# Allegro board 1119394-C028P02-36-DE2-C01_pcb.brd (continued)
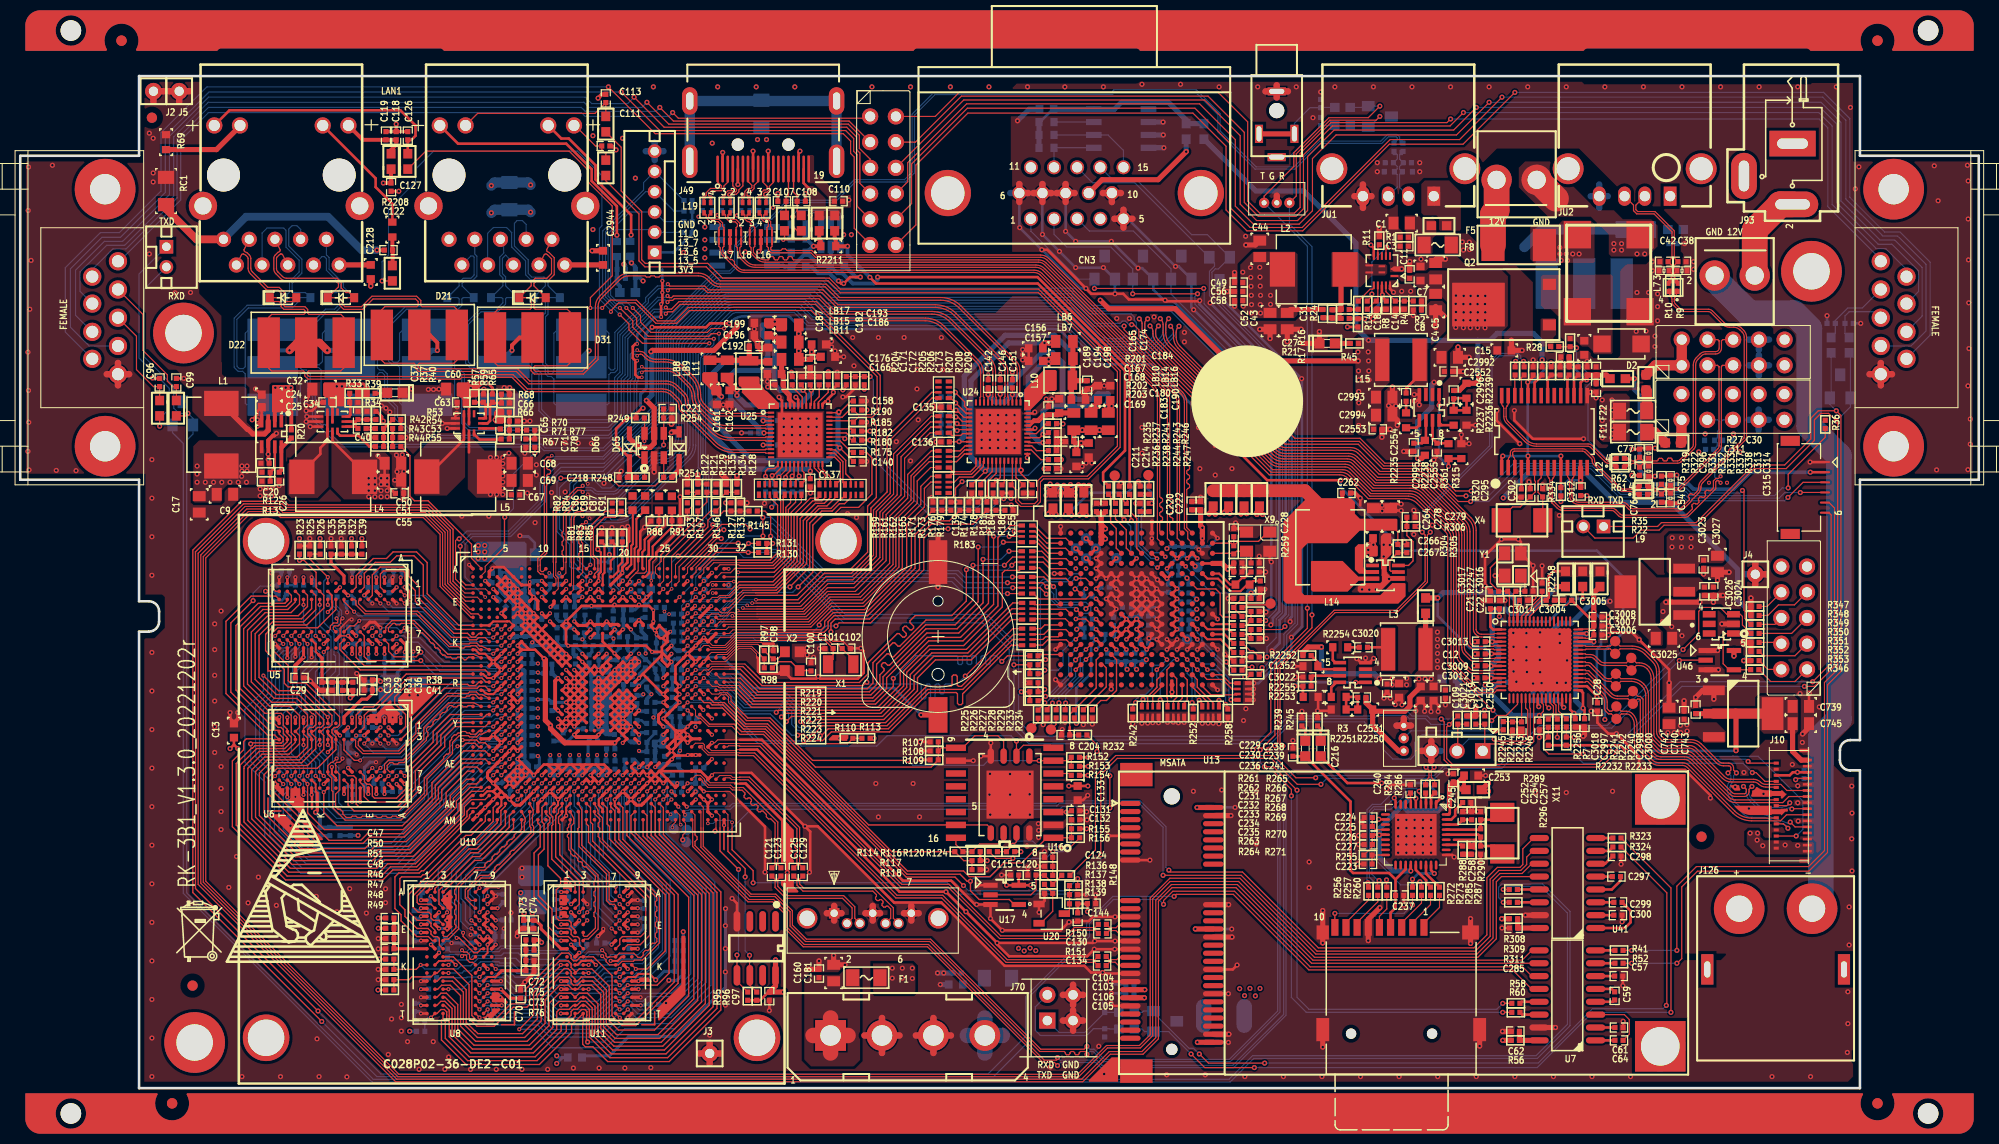
[diagram p0: board, top side]
## Nets (continued)
GND: BT1.2 C1.2 C2.2 C3.2 C4.2(B) C5.2(B) C6.1 C7.2(B) C8.2(B) C9.2(B) C10.2 C11.2(B) C12.2 C13.2(B) C14.2(B) C15.2(B) C16.2 C17.2(B) C18.2(B) C19.1 C20.2(B) C21.2 C22.1 C23.2 C24.1 C25.1 C26.2(B) C28.2 C29.2(B) C30.2(B) C32.2(B) C33.2(B) C34.2(B) C35.2(B) C37.2(B) C38.1 C41.2(B) C42.1 C43.2(B) C44.2(B) C45.2 C46.2 C48.2(B) C49.2(B) C50.2(B) C51.2(B) C52.2(B) C53.2(B) C54.2 C55.2(B) C56.2(B) C57.2 C58.2(B) C60.2(B) C61.2 C62.2 C63.2(B) C66.2(B) C67.2(B) C68.2(B) C69.2(B) C70.2(B) C71.2(B) C73.2(B) C74.2(B) C75.2 C76.2 C77.2 C78.1 C79.1 C80.1 C81.1 C82.1 C83.1 C84.1 C85.1 C88.2 C90.2 C92.2 C93.2 C94.2 C95.2 C96.2 C97.1(A) C98.1(A) C99.2 C100.1(A) C101.1(A) C102.1(A) C107.2 C108.2 C109.2(B) C110.2 C112.2(B) C114.2(B) C115.2(B) C120.2(B) C124.2(B) C127.2(B) C130.2(B) C131.2(B) C132.2(B) C133.2(B) C134.2(B) C135.2(B) C136.2(B) C137.2(B) C139.2(B) C140.2(B) C142.2(B) C143.2(B) C144.2(B) C146.2(B) C148.2(B) C151.2(B) C152.2(B) C155.2(B) C156.2(B) C157.2(B) C158.2(B) C160.2 C161.2(B) C162.2(B) C165.2(B) C166.2(B) C167.2(B) C168.2(B) C169.2(B) C171.2(B) C172.2(B) C173.2(B) C174.2(B) C176.2(B) C180.2(B) C181.2 C182.2(B) C183.2(B) C184.2(B) C186.2(B) C187.2(B) C189.2(B) C190.2(B) C191.2 C192.2(B) C193.2(B) C194.2(B) C195.2 C196.2(B) C198.2(B) C199.2(B) C204.2 C211.2 C214.2 C216.2 C218.2 C220.2 C221.2 C222.2 C223.2 C224.1 C225.1 C226.2 C227.2 C228.1 C229.2 C230.2 C237.2 C238.1 C239.1 C240.2 C241.1 C245.2 C252.1 C253.2 C254.1 C257.1 C258.1 C262.2(B) C264.2(B) C266.1 C267.1 C278.2(B) C279.2(B) C285.2 C295.1 C296.2 C298.2 C300.2 C302.1 C311.2 C312.2 C313.2 C314.2 C315.2 C319.2 C320.2 C321.2 C322.2 C323.2 C324.2 C325.2 C326.2 C327.2 C328.2 C329.2 C330.2 C331.2 C332.2 C333.2 C334.2 C335.2 C336.2 C337.2 C338.2 C339.2 C340.2 C341.2 C342.2 C343.2 C344.2 C345.2 C346.2 C347.2 C348.2 C349.2 C350.2(B) C351.2(B) C353.2(B) C354.2(B) C355.2(B) C356.2(B) C357.2(B) C358.2(B) C359.2(B) C360.2(B) C361.2(B) C362.2(B) C363.2(B) C364.2(B) C365.2(B) C366.2(B) C367.2(B) C368.2(B) C369.2(B) C370.2(B) C371.2(B) C372.2(B) C373.2(B) C374.2(B) C375.2(B) C376.2(B) C377.2(B) C378.2(B) C379.2(B) C380.2(B) C381.2(B) C382.2(B) C383.2(B) C384.2(B) C385.2(B) C386.2(B) C387.2(B) C388.2(B) C389.2(B) C390.2(B) C391.2(B) C392.2(B) C393.2(B) C394.2(B) C395.2(B) C396.2(B) C397.2(B) C398.2(B) C399.2(B) C400.2(B) C401.2(B) C405.2(B) C406.2(B) C407.2(B) C408.2(B) C409.2(B) C410.2(B) C411.2(B) C412.2(B) C413.2(B) C414.2(B) C415.2(B) C416.2(B) C417.2(B) C418.2(B) C419.2(B) C420.2(B) C421.2(B) C422.2(B) C423.2(B) C424.2(B) C425.2(B) C426.2(B) C427.2(B) C428.2(B) C429.2(B) C430.2(B) C431.2(B) C432.2(B) C433.2(B) C434.2(B) C435.2(B) C436.2(B) C437.2(B) C438.2(B) C439.2(B) C441.2(B) C442.2(B) C443.2(B) C444.2(B) C445.2(B) C446.2(B) C447.2(B) C448.2(B) C449.2(B) C450.2(B) C451.2(B) C452.2(B) C453.2(B) C454.2(B) C455.2(B) C456.2(B) C457.2(B) C458.2(B) C459.2(B) C460.2(B) C461.2(B) C462.2(B) C463.2(B) C464.2(B) C465.2(B) C466.2(B) C467.2(B) C468.2(B) C469.2(B) C470.2(B) C471.2(B) C472.2(B) C473.2(B) C474.2(B) C475.2(B) C476.2(B) C477.2(B) C478.2(B) C479.2(B) C480.2(B) C481.2(B) C482.2(B) C483.2(B) C484.2(B) C485.2(B) C486.2(B) C487.2(B) C488.2(B) C489.2(B) C490.2(B) C492.2(B) C493.2(B) C494.2(B) C495.2(B) C496.2(B) C497.2(B) C499.2(B) C500.2(B) C501.2(B) C502.2(B) C503.2(B) C504.2(B) C505.2(B) C739.2 C740.2 C742.2 C743.2 C745.2 C1352.2(B) C2128.1 C2318.1 C2378.1 C2530.2(B) C2552.2(B) C2553.2(B) C2555.2(B) C2944.1 C2986.2(B) C2987.2(B) C2988.2(B) C2989.2(B) C2990.2(B) C2991.1 C2992.2(B) C2993.2(B) C2994.2(B) C2995.2(B) C2997.1 C2998.1 C2999.2 C3000.1 C3001.1 C3002.1 C3004.1 C3005.1 C3006.1 C3007.1 C3008.1 C3009.1 C3012.1 C3013.1 C3014.1 C3016.2 C3017.2 C3018.2 C3019.2(B) C3021.2(B) C3022.2(B) C3023.2 C3024.2 C3025.2 C3026.2 C3027.2 C3029.2 CN3.5 CN3.6 CN3.7 CN3.8 CN3.10 CON1.1(GND#1) CON1.4(GND#4) CON1.7(GND#7) D2.1(A) D6.2 D7.2 D8.2 D9.2 D10.2 D11.2 D12.2 D13.2 D16.2 D17.2 D23.3(A) D24.1(C1) D25.1(C1) D26.1(C1) D71.C D87.C J2.1 J3.1 J4.1 J5.1 J10.5 J10.8 J10.11 J10.14 J10.17 J10.20 J10.23 J10.28 J10.29 J10.32 J10.33 J22.5 J23.1 J49.2(P2) J49.5(P5) J49.8(P8) J49.11(P11) J49.17(P17) J70.2 J70.3 J95.7 J103.7 J103.8 J111.6 J113.6(VSS) J113.9(GND1) J113.10(GND2) J113.11(POL) J113.13(GND3) J120.1 J121.3 J122.3 J123.2 J124.3 J124.4 J128.6 JU1.4 JU2.4 L13.4 R1.2 R4.2(B) R8.2(B) R11.2(B) R13.2(B) R23.2(B) R25.2(B) R29.2(B) R30.2(B) R34.2(B) R37.2(B) R38.2(B) R43.2(B) R47.2(B) R48.2(B) R51.2(B) R59.2(B) R63.2 R64.1 R68.2(B) R69.1 R70.2(B) R73.2(B) R76.2(B) R81.2(B) R83.2(B) R85.2(B) R88.2 R91.2 R107.2(B) R108.2(B) R110.1(A) R118.2(B) R122.2(B) R133.1(A) R134.1(A) R135.1(A) R136.2(B) R139.2(B) R159.1(A) R171.2(B) R183.2(B) R185.2(B) R186.2(B) R202.2(B) R205.2(B) R208.2(B) R222.1 R226.1 R228.1 R233.1 R234.1 R237.1 R238.1 R239.1 R242.2 R244.1 R245.1 R252.2 R254.2 R258.2 R261.2 R263.2 R265.1 R266.2 R269.2 R289.2 R290.1 R305.2 R315.2(B) R320.2 R333.2 R347.2 R348.2 R351.2 R352.2 R370.2(B) R375.2(B) R380.2(B) R381.2(B) R383.2(B) R385.2(B) R387.1(A) R388.2(B) R390.1(A) R391.2(B) R393.2 R394.2 R395.2(B) R396.2(B) R397.1(A) R398.1(A) R399.1(A) R400.1(A) R401.2(B) R402.2(B) R404.2(B) R406.1(A) R411.2(B) R412.1(A) R413.1(A) R2236.2(B) R2248.1 R2251.2(B) R2253.2(B) RC1.2 RC2.2 RN9.5 RN9.6 RN9.7 RN9.8 RN10.5 RN10.6 RN10.7 RN10.8 RN11.5 RN11.6 RN11.7 RN11.8 RN12.5 RN12.6 RN12.7 RN12.8 U1.65(EPAD) U2.2(PGND) U2.14(AGND) U3.4(PGND) U3.6(AGND) U4.10(GND1) U4.11(GND2) U4.12(GND3) U5.A9(VSS1) U5.B1(VSSQ1) U5.B3(VSS2) U5.B9(VSSQ2) U5.D1(VSSQ3) U5.D8(VSSQ4) U5.E1(VSS3) U5.E2(VSSQ5) U5.E8(VSSQ6) U5.F9(VSSQ7) U5.G1(VSSQ8) U5.G8(VSS4) U5.G9(VSSQ9) U5.J2(VSS5) U5.J8(VSS6) U5.M1(VSS7) U5.M9(VSS8) U5.P1(VSS9) U5.P9(VSS10) U5.T1(VSS11) U5.T9(VSS12) U6.A9(VSS1) U6.B1(VSSQ1) U6.B3(VSS2) U6.B9(VSSQ2) U6.D1(VSSQ3) U6.D8(VSSQ4) U6.E1(VSS3) U6.E2(VSSQ5) U6.E8(VSSQ6) U6.F9(VSSQ7) U6.G1(VSSQ8) U6.G8(VSS4) U6.G9(VSSQ9) U6.J2(VSS5) U6.J8(VSS6) U6.M1(VSS7) U6.M9(VSS8) U6.P1(VSS9) U6.P9(VSS10) U6.T1(VSS11) U6.T9(VSS12) U7.15(GND) U8.A9(VSS1) U8.B1(VSSQ1) U8.B3(VSS2) U8.B9(VSSQ2) U8.D1(VSSQ3) U8.D8(VSSQ4) U8.E1(VSS3) U8.E2(VSSQ5) U8.E8(VSSQ6) U8.F9(VSSQ7) U8.G1(VSSQ8) U8.G8(VSS4) U8.G9(VSSQ9) U8.J2(VSS5) U8.J8(VSS6) U8.M1(VSS7) U8.M9(VSS8) U8.P1(VSS9) U8.P9(VSS10) U8.T1(VSS11) U8.T9(VSS12) U9.10(GND1) U9.11(GND2) U9.12(GND3) U10.A1(VSS_1) U10.A32(VSS_2) U10.AA4(VSS_106) U10.AA12(VSS_107) U10.AA18(AVSS_DDRPLL4) U10.AA19(VSS_15) U10.AA20(AVSS_SATA1_5) U10.AA26(AVSS_SATA1_4) U10.AA30(AVSS_PCIE0_5) U10.AB2(VSS_108) U10.AB3(VSS_109) U10.AB4(VSS_110) U10.AB5(VSS_111) U10.AB20(AVSS_SATA0_1) U10.AB26(AVSS_SATA1_3) U10.AB28(AVSS_PCIE1_2) U10.AB29(AVSS_PCIE1_4) U10.AC4(VSS_112) U10.AC6(VSS_113) U10.AC7(VSS_114) U10.AC25(AVSS_SATA0_3) U10.AC30(AVSS_PCIE1_5) U10.AD5(VSS_115) U10.AD25(AVSS_SATA0_4) U10.AD28(AVSS_SATA1_2) U10.AD29(AVSS_SATA1_1) U10.AE4(VSS_116) U10.AE6(VSS_117) U10.AE21(AVSS_EFUSE) U10.AE25(AVSS_USB2_1) U10.AE30(AVSS_SATA1_6) U10.AF3(VSS_118) U10.AF10(VSS_119) U10.AF13(VSS_120) U10.AF16(VSS_121) U10.AF19(VSS_122) U10.AF21(VSS_123) U10.AF22(VSS_30) U10.AF23(VSS_18) U10.AF24(AVSS_USB2_2) U10.AF28(AVSS_SATA0_5) U10.AF29(AVSS_SATA0_6) U10.AG3(VSS_124) U10.AG4(VSS_125) U10.AG8(VSS_126) U10.AG15(VSS_127) U10.AG16(VSS_128) U10.AG17(VSS_129) U10.AG23(VSS_130) U10.AG24(VSS_131) U10.AG25(VSS_132) U10.AG30(AVSS_SATA0_2) U10.AH4(VSS_133) U10.AH9(VSS_134) U10.AH11(VSS_135) U10.AH13(VSS_136) U10.AH18(VSS_137) U10.AH20(VSS_138) U10.AH22(VSS_139) U10.AH26(VSS_140) U10.AH28(AVSS_USB2_3) U10.AH29(VSS_36) U10.AJ2(VSS_141) U10.AJ4(VSS_142) U10.AJ5(VSS_143) U10.AJ6(VSS_144) U10.AJ8(VSS_145) U10.AJ10(VSS_146) U10.AJ11(VSS_147) U10.AJ12(VSS_148) U10.AJ17(VSS_149) U10.AJ19(VSS_150) U10.AJ20(VSS_151) U10.AJ21(VSS_152) U10.AJ23(VSS_153) U10.AJ29(AVSS_USB2_4) U10.AJ30(VSS_154) U10.AK3(VSS_155) U10.AK6(VSS_156) U10.AK7(VSS_157) U10.AK9(VSS_158) U10.AK13(VSS_159) U10.AK20(VSS_160) U10.AK21(VSS_161) U10.AK22(VSS_162) U10.AK28(AVSS_USB2_6) U10.AK30(AVSS_USB2_7) U10.AL2(VSS_163) U10.AL4(VSS_164) U10.AL9(VSS_165) U10.AL11(VSS_166) U10.AL17(VSS_167) U10.AL19(VSS_168) U10.AL30(AVSS_USB2_5) U10.AM1(VSS_90) U10.AM12(VSS_89) U10.AM32(VSS_104) U10.B3(VSS_3) U10.B6(VSS_38) U10.B30(VSS_5) U10.C3(VSS_4) U10.C7(VSS_16) U10.C8(AVSS_USB3_1) U10.C10(AVSS_USB32_1) U10.C12(AVSS_HDMITX_1) U10.C14(AVSS_HDMITX_2) U10.C16(AVSS_VDAC_1) U10.C18(AVSS_VDAC_2) U10.C20(AVSS_AC0_1) U10.C23(AVSS_AC0_2) U10.C27(VSS_37) U10.C31(VSS_12) U10.D4(VSS_7) U10.D8(AVSS_USB3_2) U10.D10(AVSS_USB32_2) U10.D12(AVSS_HDMITX_3) U10.D14(AVSS_HDMITX_4) U10.D16(AVSS_VDAC_3) U10.D17(AVSS_VDAC_4) U10.D23(VSS_8) U10.D31(VSS_40) U10.E4(VSS_9) U10.E8(VSS_10) U10.E9(AVSS_USB3_3) U10.E11(AVSS_HDMITX_5) U10.E12(AVSS_HDMITX_6) U10.E13(AVSS_HDMITX_7) U10.E15(VSS_11) U10.E16(AVSS_VDAC_5) U10.E18(AVSS_VDAC_CVBS_1) U10.E19(AVSS_AC0_3) U10.E20(AVSS_AC0_4) U10.E21(AVSS_AC0_5) U10.E22(AVSS_AC0_6) U10.F5(VSS_105) U10.F9(VSS_100) U10.F28(VSS_14) U10.F30(VSS_6) U10.G5(VSS_17) U10.G10(VSS_13) U10.G29(VSS_47) U10.H2(VSS_19) U10.H3(VSS_20) U10.H6(VSS_21) U10.H11(VSS_22) U10.H14(AVSS_USB3_4) U10.H15(AVSS_USB32_3) U10.H16(AVSS_HDMITX_9) U10.H17(VSS_39) U10.H18(AVSS_VDAC_6) U10.H19(AVSS_VDAC_CVBS_2) U10.H21(AVSS_AC0_7) U10.H22(VSS_23) U10.J6(VSS_24) U10.J31(VSS_76) U10.K29(VSS_25) U10.K30(VSS_26) U10.L1(VSS_28) U10.L5(VSS_29) U10.L25(VSS_31) U10.L28(AVSS_RTC_5) U10.M3(VSS_34) U10.M4(VSS_35) U10.M14(VSS_42) U10.M18(AVSS_VDAC_7) U10.M20(DVSS_VDAC) U10.M27(AVSS_RTC_1) U10.M28(AVSS_RTC_3) U10.M29(AVSS_RTC_2) U10.M30(VSS_27) U10.N3(VSS_43) U10.N4(VSS_44) U10.N5(VSS_45) U10.N14(VSS_49) U10.N15(AVSS_USB3_5) U10.N16(AVSS_HDMITX_8) U10.N17(AVSS_PLL_HDMITX_1) U10.N18(VSS_50) U10.N28(VSS_33) U10.N29(VSS_32) U10.P2(VSS_54) U10.P4(VSS_63) U10.P7(VSS_56) U10.P13(VSS_57) U10.P14(VSS_58) U10.P15(VSS_59) U10.P16(VSS_60) U10.P17(VSS_61) U10.P26(AVSS_RTC_6) U10.R5(VSS_64) U10.R13(VSS_65) U10.R14(VSS_66) U10.R15(VSS_67) U10.R26(AVSS_PLL_1) U10.T2(VSS_70) U10.T4(VSS_71) U10.T6(VSS_72) U10.T12(AVSS_DDRPLL1) U10.T13(VSS_73) U10.T14(VSS_74) U10.T15(VSS_75) U10.T19(VSS_77) U10.T20(AVSS_PLL_2) U10.T26(VSS_68) U10.T29(VSS_62) U10.U6(VSS_78) U10.U7(VSS_79) U10.U13(VSS_80) U10.U14(VSS_81) U10.U15(VSS_82) U10.U18(VSS_83) U10.U19(VSS_84) U10.U20(VSS_55) U10.U21(VSS_53) U10.U26(VSS_69) U10.V6(VSS_46) U10.V13(VSS_41) U10.V14(VSS_51) U10.V15(VSS_52) U10.V18(VSS_48) U10.V19(VSS_88) U10.V20(VSS_87) U10.V21(VSS_85) U10.V26(VSS_86) U10.V29(VSS_91) U10.W13(VSS_92) U10.W14(VSS_93) U10.W15(VSS_94) U10.W18(VSS_95) U10.W19(VSS_96) U10.W20(AVSS_PCIE0_3) U10.W25(AVSS_PCIE0_6) U10.W30(AVSS_PCIE0_1) U10.Y5(VSS_97) U10.Y7(VSS_98) U10.Y12(AVSS_DDRPLL2) U10.Y13(VSS_99) U10.Y14(AVSS_DDRPLL3) U10.Y15(VSS_101) U10.Y18(VSS_102) U10.Y19(VSS_103) U10.Y20(AVSS_PCIE1_3) U10.Y25(AVSS_PCIE1_1) U10.Y28(AVSS_PCIE0_2) U10.Y29(AVSS_PCIE0_4) U11.A9(VSS1) U11.B1(VSSQ1) U11.B3(VSS2) U11.B9(VSSQ2) U11.D1(VSSQ3) U11.D8(VSSQ4) U11.E1(VSS3) U11.E2(VSSQ5) U11.E8(VSSQ6) U11.F9(VSSQ7) U11.G1(VSSQ8) U11.G8(VSS4) U11.G9(VSSQ9) U11.J2(VSS5) U11.J8(VSS6) U11.M1(VSS7) U11.M9(VSS8) U11.P1(VSS9) U11.P9(VSS10) U11.T1(VSS11) U11.T9(VSS12) U12.4(GND) U13.4(GND_P4) U13.9(GND_P9) U13.15(GND_P15) U13.18(GND_P18) U13.21(GND_P21) U13.26(GND_P26) U13.27(GND_P27) U13.29(GND_P29) U13.34(GND_P34) U13.35(GND_P35) U13.37(GND_P37) U13.40(GND_P40) U13.43(GND_P43) U13.50(GND_P50) U16.10(GND) U17.1(O\E\) U17.3(GND) U18.4(VSS) U18.9(VSS_EPAD) U20.1(GND) U24.43(CKXTAL2) U24.47(GND1) U24.49(GND2) U25.43(CKXTAL2) U25.47(GND1) U25.49(GND2) U27.1(A0) U27.2(A1) U27.3(A2) U27.4(VSS) U32.A1(GND#A1) U32.A10(GND#A10) U32.A16(GND#A16) U32.B10(GND#B10) U32.C5(GND#C5) U32.C15(GND#C15) U32.D5(GND#D5) U32.E1(GND#E1) U32.E5(GND#E5) U32.E6(GND#E6) U32.E7(GND#E7) U32.E8(GND#E8) U32.E9(GND#E9) U32.E10(GND#E10) U32.F6(GND#F6) U32.F7(GND#F7) U32.F8(GND#F8) U32.F9(GND#F9) U32.F10(GND#F10) U32.F11(GND#F11) U32.G6(GND#G6) U32.G7(GND#G7) U32.G8(GND#G8) U32.G9(GND#G9) U32.G10(GND#G10) U32.G11(GND#G11) U32.H6(GND#H6) U32.H7(GND#H7) U32.H8(GND#H8) U32.H9(GND#H9) U32.H10(GND#H10) U32.H11(GND#H11) U32.J6(GND#J6) U32.J8(GND#J8) U32.J9(GND#J9) U32.J10(GND#J10) U32.J11(GND#J11) U32.J16(GND#J16) U32.K10(GND#K10) U32.K11(GND#K11) U32.L10(GND#L10) U32.L11(GND#L11) U32.M1(GND#M1) U32.M11(GND#M11) U32.M12(GND#M12) U32.M13(GND#M13) U32.M14(GND#M14) U32.M15(GND#M15) U32.M16(GND#M16) U32.T1(GND#T1) U32.T6(GND#T6) U32.T12(GND#T12) U32.T16(GND#T16) U33.2(GND) U34.28(TEST) U34.37(GPAD) U38.4(PGND) U38.6(AGND) U39.1(GND) U41.15(GND) U43.15(GND) U45.2(GND) U46.1(O\E\) U46.3(GND) U58.1(A0) U58.2(A1) U58.3(A2) U58.4(VSS) U62.9(GND1) U62.10(GND2) U63.9(GND1) U63.10(GND2) U75.2(GND) U79.4(GND) U80.4(GND) U102.1(GND) X2.2(GND1) X2.4(GND2) X9.2 X9.4 Y1.2 Y1.4
GND_EARTH: C111.2(B) C113.2(B) C116.2(B) C117.2(B) C118.2(B) C119.2(B) C122.2(B) C126.2(B) D19.2 D20.2 D21.2 D22.2 D31.2 D32.2 D33.2 D34.2 J11.10(CHS) J115.10(CHS) RC1.1 RC2.1
PGND: D18.3 J93.1(A1) J93.3(A3) J94.2 J125.2 J126.2 L13.1
VCC12_TX: C28.1 C3005.2 C3006.2 C3007.2 C3008.2 LB57.2 U1.34(VCC12_TX3) U1.46(VCC12_TX2) U1.48(VCC12_TX1) U1.59(VCC12_TX0)
VCC12A_RX: C3009.2 C3012.2 C3013.2 LB55.2 U1.4(VCC12A_RX) U1.10(VCC12_PI) U1.13(VCC12_RXPLL)
VCC12D_RX: C21.1 C22.2 LB56.2 U1.1(VCC12D_RX)
VCC33: C112.1(A) C740.1 C742.1 C2530.1(A) C2531.2(B) C3019.1(A) C3023.1 C3027.1 J10.1 J10.2 J10.3 J10.4 J10.26 J10.27 J122.1 L3.2(B) LB53.1 LB54.1 R7.1 R2243.2 R2244.2 R2250.2(B) U39.3(VIN) U46.5(VCC) U102.3(VIN)
VCC33_RX: C12.1 C3014.2 LB53.2 U1.7(VCC33_RX) U1.62(VCC33_BG)
VCC33_TX: C2.1 C6.2 C2997.2 C2998.2 C2999.1 C3000.2 C3001.2 LB54.2 U1.14(VCC33_IO#14) U1.25(VCC33_IO#25) U1.32(VCC33_IO#32) U1.33(VCC33_TX3) U1.45(VCC33_TX2) U1.47(VCC33_TXPLL)
VCC_5V_SATA1: C191.1 C195.1 F3.2 J70.4
VCC_12V_SATA1: C160.1 C181.1 F1.2 J70.1
VDD: C16.1 C19.2 C3002.2 C3004.2 C3024.1 C3025.1 C3026.1 LB55.1 LB56.1 LB57.1 U1.24(VDD#24) U1.30(VDD#30) U1.60(VDD#60) U39.2(VOUT) U39.4(PAD)
VDD18: C224.2 C225.2 U34.13(VDD18)
VDD18PLL: C252.2 C254.2 U34.34(VDD18PLL)
AC0_LINEIN_L: C89.2(B)
AC0_LINEIN_R: C86.2(B)
AC0_LINEOUT_L: C87.2(B)
AC0_LINEOUT_R: C91.2(B)
AC0_MICBIAS1: C391.1(A) U10.D19(AC0_MICBIAS1)
AC0_MICBIAS2: C388.1(A) U10.C19(AC0_MICBIAS2)
AC0_VREF: C368.1(A) C374.1(A) U10.D21(AC0_VREF)
BOOT_SEL0: R386.2(B) R387.2(B) U10.J27(GPIO8_7/BOOT_SEL0/MII0_TXER)
BOOT_SEL1: R159.2(B) R161.2(B) R162.2(B) U10.J32(GPIO14_5/EPHY0_CLK/BOOT_SEL1)
BOOTROM_SEL: R176.2 R179.2(B) R183.1(A) U10.L27(GPIO11_6/MDCK/BOOTROM_SEL)
CORE_FB: R66.2(B) R67.2(B) R70.1(A) R71.1(A)
CPU_FB: R42.2(B) R43.1(A) R44.2(B) R53.1(A)
CRD_PWR: C216.1 C237.1 D15.A J113.4(VDD) U34.21(CRD_PWR)
CSCL: J121.2 R2244.1 R2245.1 U1.21(CSCL)
CSDA: J121.1 R2243.1 R2246.1 U1.22(CSDA)
CTS1: J7.8 J22.8
CTS2: J7.7 J23.7
CVBS_OUT: R396.1(A) U10.D18(CVBS_OUT)
DCD1: J7.2 J22.1
DCD2: J7.1 J23.5
DCDC_EN: J10.30 R2232.1 R2241.1
DDC_SCL_A: L28.2 R1121.2 U58.6(SCL) U75.1(IO_1)
DDC_SDA_A: L29.1 R1120.2 U58.5(SDA) U75.3(IO_2)
DDC_VGA_SCL: CN3.15 R160.2 U27.6(SCL)
DDC_VGA_SDA: CN3.12 R2212.2 U27.5(SDA)
DDR0_A0: U5.N3(A0) U6.N3(A0) U10.Y6(DDR0_A0)
DDR0_A1: U5.P7(A1) U6.P7(A1) U10.AC5(DDR0_A1)
DDR0_A2: U5.P3(A2) U6.P3(A2) U10.AJ1(DDR0_A2)
DDR0_A3: U5.N2(A3) U6.N2(A3) U10.AH2(DDR0_A3)
DDR0_A4: U5.P8(A4) U6.P8(A4) U10.AB6(DDR0_A4)
DDR0_A5: U5.P2(A5) U6.P2(A5) U10.AH3(DDR0_A5)
DDR0_A6: U5.R8(A6) U6.R8(A6) U10.AD4(DDR0_A6)
DDR0_A7: U5.R2(A7) U6.R2(A7) U10.AJ3(DDR0_A7)
DDR0_A8: U5.T8(A8) U6.T8(A8) U10.AE5(DDR0_A8)
DDR0_A9: U5.R3(A9) U6.R3(A9) U10.AK2(DDR0_A9)
DDR0_A10: U5.L7(A10/AP) U6.L7(A10/AP) U10.Y4(DDR0_A10)
DDR0_A11: U5.R7(A11) U6.R7(A11) U10.AD6(DDR0_A11)
DDR0_A12: U5.N7(A12/BC~) U6.N7(A12/BC~) U10.AA6(DDR0_A12)
DDR0_A13: U5.T3(A13) U6.T3(A13) U10.AL1(DDR0_A13)
DDR0_A14: U5.T7(A14) U6.T7(A14) U10.AE2(DDR0_A14)
DDR0_A15: U5.M7(NC5) U6.M7(NC5) U10.AA5(DDR0_A15)
DDR0_BA0: U5.M2(BA0) U6.M2(BA0) U10.AG1(DDR0_BA0)
DDR0_BA1: U5.N8(BA1) U6.N8(BA1) U10.AE3(DDR0_BA1)
DDR0_BA2: U5.M3(BA2) U6.M3(BA2) U10.AG2(DDR0_BA2)
DDR0_CAS_N: U5.K3(C\A\S\) U6.K3(C\A\S\) U10.AC3(DDR0_CAS_N)
DDR0_CKE: U5.K9(CKE) U6.K9(CKE) U10.AD3(DDR0_CKE)
DDR0_CLK0_N: R410.2(B) U5.K7(C\K\) U6.K7(C\K\) U10.AA3(DDR0_CLK0_N)
DDR0_CLK0_P: R410.1(A) U5.J7(CK) U6.J7(CK) U10.AA2(DDR0_CLK0_P)
DDR0_CS_N: R19.2(B) R23.1(A) U5.L2(C\S\) U6.L2(C\S\) U10.AF1(DDR0_CS)
DDR0_DM0: U5.E7(LDM) U10.L4(DDR0_DM0)
DDR0_DM1: U5.D3(UDM) U10.J5(DDR0_DM1)
DDR0_DM2: U6.E7(LDM) U10.V5(DDR0_DM2)
DDR0_DM3: U6.D3(UDM) U10.R6(DDR0_DM3)
DDR0_DQ0: U5.E3(DQ0) U10.J2(DDR0_DQ0)
DDR0_DQ1: U5.F7(DQ1) U10.P5(DDR0_DQ1)
DDR0_DQ2: U5.F2(DQ2) U10.J3(DDR0_DQ2)
DDR0_DQ3: U5.F8(DQ3) U10.N2(DDR0_DQ3)
DDR0_DQ4: U5.H3(DQ4) U10.K5(DDR0_DQ4)
DDR0_DQ5: U5.H8(DQ5) U10.P3(DDR0_DQ5)
DDR0_DQ6: U5.G2(DQ6) U10.H1(DDR0_DQ6)
DDR0_DQ7: U5.H7(DQ7) U10.K6(DDR0_DQ7)
DDR0_DQ8: U5.D7(DQ8) U10.M6(DDR0_DQ8)
DDR0_DQ9: U5.C3(DQ9) U10.J4(DDR0_DQ9)
DDR0_DQ10: U5.C8(DQ10) U10.N6(DDR0_DQ10)
DDR0_DQ11: U5.C2(DQ11) U10.K3(DDR0_DQ11)
DDR0_DQ12: U5.A7(DQ12) U10.L6(DDR0_DQ12)
DDR0_DQ13: U5.A2(DQ13) U10.H5(DDR0_DQ13)
DDR0_DQ14: U5.B8(DQ14) U10.M5(DDR0_DQ14)
DDR0_DQ15: U5.A3(DQ15) U10.H4(DDR0_DQ15)
DDR0_DQ16: U6.E3(DQ0) U10.T5(DDR0_DQ16)
DDR0_DQ17: U6.F7(DQ1) U10.W2(DDR0_DQ17)
DDR0_DQ18: U6.F2(DQ2) U10.R3(DDR0_DQ18)
DDR0_DQ19: U6.F8(DQ3) U10.W3(DDR0_DQ19)
DDR0_DQ20: U6.H3(DQ4) U10.U5(DDR0_DQ20)
DDR0_DQ21: U6.H8(DQ5) U10.Y3(DDR0_DQ21)
DDR0_DQ22: U6.G2(DQ6) U10.P1(DDR0_DQ22)
DDR0_DQ23: U6.H7(DQ7) U10.Y1(DDR0_DQ23)
DDR0_DQ24: U6.D7(DQ8) U10.U4(DDR0_DQ24)
DDR0_DQ25: U6.C3(DQ9) U10.R4(DDR0_DQ25)
DDR0_DQ26: U6.C8(DQ10) U10.V4(DDR0_DQ26)
DDR0_DQ27: U6.C2(DQ11) U10.P6(DDR0_DQ27)
DDR0_DQ28: U6.A7(DQ12) U10.W5(DDR0_DQ28)
DDR0_DQ29: U6.A2(DQ13) U10.R2(DDR0_DQ29)
DDR0_DQ30: U6.B8(DQ14) U10.W6(DDR0_DQ30)
DDR0_DQ31: U6.A3(DQ15) U10.T3(DDR0_DQ31)
DDR0_DQS0_N: U5.G3(L\D\Q\S\) U10.L2(DDR0_DQS0_N)
DDR0_DQS0_P: U5.F3(LDQS) U10.L3(DDR0_DQS0_P)
DDR0_DQS1_N: U5.B7(U\D\Q\S\) U10.M1(DDR0_DQS1_N)
DDR0_DQS1_P: U5.C7(UDQS) U10.M2(DDR0_DQS1_P)
DDR0_DQS2_N: U6.G3(L\D\Q\S\) U10.U2(DDR0_DQS2_N)
DDR0_DQS2_P: U6.F3(LDQS) U10.U3(DDR0_DQS2_P)
DDR0_DQS3_N: U6.B7(U\D\Q\S\) U10.V1(DDR0_DQS3_N)
DDR0_DQS3_P: U6.C7(UDQS) U10.V2(DDR0_DQS3_P)
DDR0_ODT: R25.1(A) R26.2(B) U5.K1(ODT) U6.K1(ODT) U10.AF4(DDR0_ODT)
DDR0_RAS_N: U5.J3(R\A\S\) U6.J3(R\A\S\) U10.AF2(DDR0_RAS_N)
DDR0_RESET_N: C505.1(A) R414.2(B) U5.T2(R\E\S\E\T\) U6.T2(R\E\S\E\T\) U10.AF5(DDR0_RESET_N)
DDR0_WE_N: U5.L3(W\E\) U6.L3(W\E\) U10.AC2(DDR0_WE_N)
DDR0_ZQ: R404.1(A) U10.M7(DDR0_ZQ)
DDR1_A0: U8.N3(A0) U10.AG20(DDR1_A0) U11.N3(A0)
DDR1_A1: U8.P7(A1) U10.AJ22(DDR1_A1) U11.P7(A1)
DDR1_A2: U8.P3(A2) U10.AL23(DDR1_A2) U11.P3(A2)
DDR1_A3: U8.N2(A3) U10.AM22(DDR1_A3) U11.N2(A3)
DDR1_A4: U8.P8(A4) U10.AG22(DDR1_A4) U11.P8(A4)
DDR1_A5: U8.P2(A5) U10.AL22(DDR1_A5) U11.P2(A5)
DDR1_A6: U8.R8(A6) U10.AH23(DDR1_A6) U11.R8(A6)
DDR1_A7: U8.R2(A7) U10.AK23(DDR1_A7) U11.R2(A7)
DDR1_A8: U8.T8(A8) U10.AJ24(DDR1_A8) U11.T8(A8)
DDR1_A9: U8.R3(A9) U10.AM24(DDR1_A9) U11.R3(A9)
DDR1_A10: U8.L7(A10/AP) U10.AH19(DDR1_A10) U11.L7(A10/AP)
DDR1_A11: U8.R7(A11) U10.AH24(DDR1_A11) U11.R7(A11)
DDR1_A12: U8.N7(A12/BC~) U10.AH21(DDR1_A12) U11.N7(A12/BC~)
DDR1_A13: U8.T3(A13) U10.AK24(DDR1_A13) U11.T3(A13)
DDR1_A14: U8.T7(A14) U10.AM19(DDR1_A14) U11.T7(A14)
DDR1_A15: U8.M7(NC5) U10.AG21(DDR1_A15) U11.M7(NC5)
DDR1_BA0: U8.M2(BA0) U10.AL21(DDR1_BA0) U11.M2(BA0)
DDR1_BA1: U8.N8(BA1) U10.AK18(DDR1_BA1) U11.N8(BA1)
DDR1_BA2: U8.M3(BA2) U10.AM21(DDR1_BA2) U11.M3(BA2)
DDR1_CAS_N: U8.K3(C\A\S\) U10.AJ18(DDR1_CAS_N) U11.K3(C\A\S\)
DDR1_CKE: U8.K9(CKE) U10.AK17(DDR1_CKE) U11.K9(CKE)
DDR1_CLK0_N: R405.2(B) U8.K7(C\K\) U10.AK16(DDR1_CLK0_N) U11.K7(C\K\)
DDR1_CLK0_P: R405.1(A) U8.J7(CK) U10.AL16(DDR1_CLK0_P) U11.J7(CK)
DDR1_CS_N: R48.1(A) R49.2(B) U8.L2(C\S\) U10.AL20(DDR1_CS) U11.L2(C\S\)
DDR1_DM0: U8.E7(LDM) U10.AG10(DDR1_DM0)
DDR1_DM1: U8.D3(UDM) U10.AJ7(DDR1_DM1)
DDR1_DM2: U10.AJ15(DDR1_DM2) U11.E7(LDM)
DDR1_DM3: U10.AG14(DDR1_DM3) U11.D3(UDM)
DDR1_DQ0: U8.E3(DQ0) U10.AM4(DDR1_DQ0)
DDR1_DQ1: U8.F7(DQ1) U10.AG9(DDR1_DQ1)
DDR1_DQ2: U8.F2(DQ2) U10.AK4(DDR1_DQ2)
DDR1_DQ3: U8.F8(DQ3) U10.AJ9(DDR1_DQ3)
DDR1_DQ4: U8.H3(DQ4) U10.AL3(DDR1_DQ4)
DDR1_DQ5: U8.H8(DQ5) U10.AH7(DDR1_DQ5)
DDR1_DQ6: U8.G2(DQ6) U10.AM2(DDR1_DQ6)
DDR1_DQ7: U8.H7(DQ7) U10.AH8(DDR1_DQ7)
DDR1_DQ8: U8.D7(DQ8) U10.AH10(DDR1_DQ8)
DDR1_DQ9: U8.C3(DQ9) U10.AL6(DDR1_DQ9)
DDR1_DQ10: U8.C8(DQ10) U10.AG11(DDR1_DQ10)
DDR1_DQ11: U8.C2(DQ11) U10.AK5(DDR1_DQ11)
DDR1_DQ12: U8.A7(DQ12) U10.AG12(DDR1_DQ12)
DDR1_DQ13: U8.A2(DQ13) U10.AL5(DDR1_DQ13)
DDR1_DQ14: U8.B8(DQ14) U10.AH12(DDR1_DQ14)
DDR1_DQ15: U8.A3(DQ15) U10.AM6(DDR1_DQ15)
DDR1_DQ16: U10.AJ13(DDR1_DQ16) U11.E3(DQ0)
DDR1_DQ17: U10.AH14(DDR1_DQ17) U11.F7(DQ1)
DDR1_DQ18: U10.AL10(DDR1_DQ18) U11.F2(DQ2)
DDR1_DQ19: U10.AH15(DDR1_DQ19) U11.F8(DQ3)
DDR1_DQ20: U10.AK10(DDR1_DQ20) U11.H3(DQ4)
DDR1_DQ21: U10.AK15(DDR1_DQ21) U11.H8(DQ5)
DDR1_DQ22: U10.AM9(DDR1_DQ22) U11.G2(DQ6)
DDR1_DQ23: U10.AM15(DDR1_DQ23) U11.H7(DQ7)
DDR1_DQ24: U10.AJ16(DDR1_DQ24) U11.D7(DQ8)
DDR1_DQ25: U10.AG13(DDR1_DQ25) U11.C3(DQ9)
DDR1_DQ26: U10.AH16(DDR1_DQ26) U11.C8(DQ10)
DDR1_DQ27: U10.AK12(DDR1_DQ27) U11.C2(DQ11)
DDR1_DQ28: U10.AH17(DDR1_DQ28) U11.A7(DQ12)
DDR1_DQ29: U10.AK11(DDR1_DQ29) U11.A2(DQ13)
DDR1_DQ30: U10.AG18(DDR1_DQ30) U11.B8(DQ14)
DDR1_DQ31: U10.AL12(DDR1_DQ31) U11.A3(DQ15)
DDR1_DQS0_N: U8.G3(L\D\Q\S\) U10.AL7(DDR1_DQS0_N)
DDR1_DQS0_P: U8.F3(LDQS) U10.AM7(DDR1_DQS0_P)
DDR1_DQS1_N: U8.B7(U\D\Q\S\) U10.AK8(DDR1_DQS1_N)
DDR1_DQS1_P: U8.C7(UDQS) U10.AL8(DDR1_DQS1_P)
DDR1_DQS2_N: U10.AL13(DDR1_DQS2_N) U11.G3(L\D\Q\S\)
DDR1_DQS2_P: U10.AM13(DDR1_DQS2_P) U11.F3(LDQS)
DDR1_DQS3_N: U10.AK14(DDR1_DQS3_N) U11.B7(U\D\Q\S\)
DDR1_DQS3_P: U10.AL14(DDR1_DQS3_P) U11.C7(UDQS)
DDR1_ODT: R46.2(B) R47.1(A) U8.K1(ODT) U10.AH25(DDR1_ODT) U11.K1(ODT)
DDR1_RAS_N: U8.J3(R\A\S\) U10.AK19(DDR1_RAS_N) U11.J3(R\A\S\)
DDR1_RESET_N: C473.1(A) R407.2(B) U8.T2(R\E\S\E\T\) U10.AJ25(DDR1_RESET_N) U11.T2(R\E\S\E\T\)
DDR1_WE_N: U8.L3(W\E\) U10.AG19(DDR1_WE_N) U11.L3(W\E\)
DDR1_ZQ: R395.1(A) U10.AF20(DDR1_ZQ)
DDR_VREF_CA_0: C33.1(A) C36.2(B) R29.1(A) R31.2(B) U5.M8(VREFCA)
DDR_VREF_CA_1: C498.2(B) C501.1(A) R409.2(B) R411.1(A) U6.M8(VREFCA)
DDR_VREF_CA_2: C72.2(B) C73.1(A) R75.2(B) R76.1(A) U8.M8(VREFCA)
DDR_VREF_CA_3: C352.2(B) C353.1(A) R384.2(B) R385.1(A) U11.M8(VREFCA)
DDR_VREF_DQ_0: C35.1(A) C39.2(B) R30.1(A) R32.2(B) U5.H1(VREFDQ)
DDR_VREF_DQ_1: C41.1(A) C491.2(B) R38.1(A) R408.2(B) U6.H1(VREFDQ)
DDR_VREF_DQ_2: C47.2(B) C48.1(A) R50.2(B) R51.1(A) U8.H1(VREFDQ)
DDR_VREF_DQ_3: C74.1(A) C440.2(B) R73.1(A) R403.2(B) U11.H1(VREFDQ)
DSR1: J7.4 J22.6
DSR2: J7.3 J23.9
DTR1: J7.10 J22.4
DTR2: J7.9 J23.2
EPHY0_CLK: R161.1(A) R201.1(A)
EPHY0_RSTN: R173.1(A) R174.2(B)
EPHY1_CLK: R204.1(A) R207.1(A)
EPHY1_RSTN: R175.2(B) U10.F27(GPIO6_5/EPHY1_RSTN)
GE0_1V05_PHY: C184.1(A) C189.1(A) L10.2(B) LB6.1 LB7.1
GE0_1V05A_PHY: C142.1(A) C151.1(A) C157.1(A) C168.1(A) LB7.2 U24.3(AVDD10_1) U24.9(AVDD10_2) U24.40(AVDD10_3)
GE0_1V05D_PHY: C139.1(A) C155.1(A) C156.1(A) LB6.2 U24.28(DVDD10_1) U24.36(DVDD10_2)
GE0_3V3A_PHY: C146.1(A) C167.1(A) C194.1(A) LB14.2 U24.6(AVDD33_1) U24.41(AVDD33_2)
GE0_3V3D_PHY: C135.1(A) C136.1(A) C198.1(A) LB16.2 U24.15(DVDD33_1) U24.21(DVDD33_2)
GE0_AN0: R378.1(A) RN22.7 U24.17(RXD2/AN0)
GE0_AN1: R379.1(A) RN22.6 U24.18(RXD3/AN1)
GE0_ENSWREG: R203.2(B) U24.38(ENSWREG)
GE0_LED0_ACTIVE/PHY_AD0: LB21.1 R184.2(B) U24.34(LED0/PHY_AD0)
GE0_LED1_LINK/PHY_AD1: LB13.1 R186.1(A) U24.35(LED1/PHY_AD1)
GE0_MDI0_N: D31.3 D35.2(CATHODE) J115.3(DA-) U24.2(MDIN0)
GE0_MDI0_P: D31.1 D35.1(ANODE) J115.2(DA+) U24.1(MDIP0)
GE0_MDI1_N: D32.3 D36.2(CATHODE) J115.7(DB-) U24.5(MDIN1)
GE0_MDI1_P: D32.1 D36.1(ANODE) J115.4(DB+) U24.4(MDIP1)
GE0_MDI2_N: D33.3 D37.2(CATHODE) J115.6(DC-) U24.8(MDIN2)
GE0_MDI2_P: D33.1 D37.1(ANODE) J115.5(DC+) U24.7(MDIP2)
GE0_MDI3_N: D34.3 D38.2(CATHODE) J115.9(D3-) U24.11(MDIN3)
GE0_MDI3_P: D34.1 D38.1(ANODE) J115.8(D3+) U24.10(MDIP3)
GE0_PHY_AD2: R375.1(A) RN21.6 U24.13(RXCTL/PHY_AD2)
GE0_RXDLY: R181.1(A) U24.32(LED2/RXDLY)
GE0_SELRGV: R376.1(A) RN21.5 U24.14(RXD0/SELRGV)
GE0_TXDLY: R377.1(A) RN22.8 U24.16(RXD1/TXDLY)
GE0_VDDREG: C165.1(A) C174.1(A) LB10.2 U24.44(VDDREG1) U24.45(VDDREG2)
GE1_1V05_PHY: C187.1(A) C192.1(A) L11.2(B) LB8.1 LB9.1
GE1_1V05A_PHY: C143.1(A) C152.1(A) C162.1(A) C172.1(A) LB9.2 U25.3(AVDD10_1) U25.9(AVDD10_2) U25.40(AVDD10_3)
GE1_1V05D_PHY: C140.1(A) C158.1(A) C161.1(A) LB8.2 U25.28(DVDD10_1) U25.36(DVDD10_2)
GE1_3V3A_PHY: C148.1(A) C171.1(A) C196.1(A) LB15.2 U25.6(AVDD33_1) U25.41(AVDD33_2)
GE1_3V3D_PHY: C137.1(A) C199.1(A) LB17.2 U25.15(DVDD33_1) U25.21(DVDD33_2)
GE1_AN0: R373.1(A) RN20.7 U25.17(RXD2/AN0)
GE1_AN1: R374.1(A) RN20.6 U25.18(RXD3/AN1)
GE1_ENSWREG: R206.2(B) U25.38(ENSWREG)
GE1_LED0_ACTIVE/PHY_AD0: LB30.1 R185.1(A) U25.34(LED0/PHY_AD0)
GE1_LED1_LINK/PHY_AD1: LB29.1 R190.2(B) U25.35(LED1/PHY_AD1)
GE1_MDI0_N: D19.3 D27.2(CATHODE) J11.3(DA-) U25.2(MDIN0)
GE1_MDI0_P: D19.1 D27.1(ANODE) J11.2(DA+) U25.1(MDIP0)
GE1_MDI1_N: D20.3 D28.2(CATHODE) J11.7(DB-) U25.5(MDIN1)
GE1_MDI1_P: D20.1 D28.1(ANODE) J11.4(DB+) U25.4(MDIP1)
GE1_MDI2_N: D21.3 D29.2(CATHODE) J11.6(DC-) U25.8(MDIN2)
GE1_MDI2_P: D21.1 D29.1(ANODE) J11.5(DC+) U25.7(MDIP2)
GE1_MDI3_N: D22.3 D30.2(CATHODE) J11.9(D3-) U25.11(MDIN3)
GE1_MDI3_P: D22.1 D30.1(ANODE) J11.8(D3+) U25.10(MDIP3)
GE1_PHY_AD2: R370.1(A) RN79.6 U25.13(RXCTL/PHY_AD2)
GE1_RXDLY: R182.1(A) U25.32(LED2/RXDLY)
GE1_SELRGV: R371.1(A) RN79.5 U25.14(RXD0/SELRGV)
GE1_TXDLY: R372.1(A) RN20.8 U25.16(RXD1/TXDLY)
GE1_VDDREG: C166.1(A) C176.1(A) LB11.2 U25.44(VDDREG1) U25.45(VDDREG2)
GPIO0_1: J120.4 U10.C1(VOU_SLV_DATA11/GPIO0_1)
GPIO0_2: J120.3 U10.D2(VOU_SLV_DATA6/GPIO0_2)
GPIO0_3: U10.E3(VOU_SLV_DATA13/GPIO0_3)
GPIO8_4: TP9.1 U10.J28(GPIO8_4/MII0_CRS)
GPIO11_0: J128.5 R2260.1 U10.C25(GPIO11_0/VOU1120_DATA16)
GPIO13_4: R2256.1 U10.A28(GPIO13_4/VOU1120_DATA12)
GPIO13_5: J128.2 R2257.1 U10.A27(GPIO13_5/VOU1120_DATA13)
GPIO13_6: J128.3 R2258.1 U10.B27(GPIO13_6/VOU1120_DATA14)
GPIO13_7: J128.4 R2259.1 U10.B26(GPIO13_7/VOU1120_DATA15)
HDMI_5V_DET: C218.1 D66.1(K) R248.2 R249.2 U1.26(GPIO5)
HDMI_7842_5V: C2378.2 C2991.2 LB12.1 R241.1 R1119.1 R1120.1 R1121.1 R2211.2 U58.8(VDD) U75.5(VCC)
HDMI_7842_HPD: L30.2 R235.1 R2211.1 U75.4(IO_3)
HDMI_7842_TX0+: L18.2 U32.B13(RXA_0+) U62.1(LINEIN1) U62.8(LINEOUT4)
HDMI_7842_TX0-: L18.3 U32.A13(RXA_0-) U62.2(LINEIN2) U62.7(LINEOUT3)
HDMI_7842_TX1+: L17.4 U32.B12(RXA_1+) U63.3(LINEIN3) U63.6(LINEOUT2)
HDMI_7842_TX1-: L17.1 U32.A12(RXA_1-) U63.4(LINEIN4) U63.5(LINEOUT1)
HDMI_7842_TX2+: L19.2 U32.B11(RXA_2+) U63.1(LINEIN1) U63.8(LINEOUT4)
HDMI_7842_TX2-: L19.3 U32.A11(RXA_2-) U63.2(LINEIN2) U63.7(LINEOUT3)
HDMI_7842_TXC+: L16.4 U32.B14(RXA_C+) U62.3(LINEIN3) U62.6(LINEOUT2)
HDMI_7842_TXC-: L16.1 U32.A14(RXA_C-) U62.4(LINEIN4) U62.5(LINEOUT1)
HDMI_TX0N: U1.5(D0N) U10.D13(HDMI_TX0N)
HDMI_TX0P: U1.6(D0P) U10.C13(HDMI_TX0P)
HDMI_TX1N: U1.8(D1N) U10.B12(HDMI_TX1N)
HDMI_TX1P: U1.9(D1P) U10.A12(HDMI_TX1P)
HDMI_TX2N: U1.11(D2N) U10.D11(HDMI_TX2N)
HDMI_TX2P: U1.12(D2P) U10.C11(HDMI_TX2P)
HDMI_TXCN: U1.2(CKN) U10.B14(HDMI_TXCN)
HDMI_TXCP: U1.3(CKP) U10.A14(HDMI_TXCP)
HDMITX_CEC: R251.2 U10.D15(HDMITX_CEC/GPIO6_1) U33.3(IO_2)
HDMITX_HOTPLUG: C221.1 R254.1 U1.23(RX_HPD) U10.A15(HDMITX_HOTPLUG/GPIO6_0) U33.4(IO_3)
HDMITX_REXT: R398.2(B) R399.2(B) U10.E14(HDMITX_REXT)
HDMITX_SCL: R248.1 U1.16(DSCL) U10.C15(HDMITX_SCL/GPIO6_3) U33.1(IO_1)
HDMITX_SDA: R249.1 U1.15(DSDA) U10.B15(HDMITX_SDA/GPIO6_2) U33.6(IO_4)
I2C_SCL: J120.6 R130.2(B) R220.1 R221.1 R2245.2 U10.A29(GPIO5_7/I2C_SCL)
I2C_SDA: J120.5 R131.2(B) R223.1 R224.1 R2246.2 U10.B28(GPIO5_6/I2C_SDA)
I2S0_SD_RX/I2S2_MCLK: RN75.5 U10.D28(GPIO12_0/VOU1120_DATA0)
IIS_D0/SPDIF: U1.31(IIS_D0/SPDIF)
IIS_MCLK: R2240.2 U1.29(IIS_MCLK)
IIS_SCLK: R2242.1 U1.28(IIS_SCLK)
IIS_WS: R2241.2 U1.27(IIS_WS)
IR_IN: U10.AJ27(GPIO14_7/IR_IN)
JTAG_EN: R391.1(A) R392.2(B) U10.AK25(JTAG_EN)
JTAG_SEL: R390.2(B) U10.AJ26(JTAG_SEL)
JTAG_TCK: TP63.1(TP) U10.AL26(JTAG_TCK/GPIO14_1)
JTAG_TDI: TP66.1(TP) U10.AL27(JTAG_TDI/GPIO14_4)
JTAG_TDO: TP65.1(TP) U10.AL25(JTAG_TDO/GPIO14_3)
JTAG_TMS: TP64.1(TP) U10.AM26(JTAG_TMS/GPIO14_2)
JTAG_TRSTN: TP62.1(TP) U10.AM27(JTAG_TRSTN/GPIO14_0)
KEY_FACTORY: R36.2(B)
KEY_POWER: R27.2 R28.2 R349.2
KEY_RESET: R148.1(A) R350.2 U45.3(IO_2)
LED_EN: J10.6 R2233.1 R2240.1
LED_SATA: R346.2 U45.1(IO_1) U46.4(Y)
LSADC_IN: TP8.1 U10.AJ28(LSADC_IN/GPIO11_4)